# Altium PCB LimeNet-Micro_2v1.PcbDoc (part 8 of 11)
Units mm, origin at the board's own origin, x right, y up, seen from the top; angles counter-clockwise.
Board outline 75 x 143 mm, 6 copper layers (Top, L2, L3, L4, L5, Bottom), stack 1.583 mm thick; 795 components, 565 nets, 3646 pads, 1420 vias.
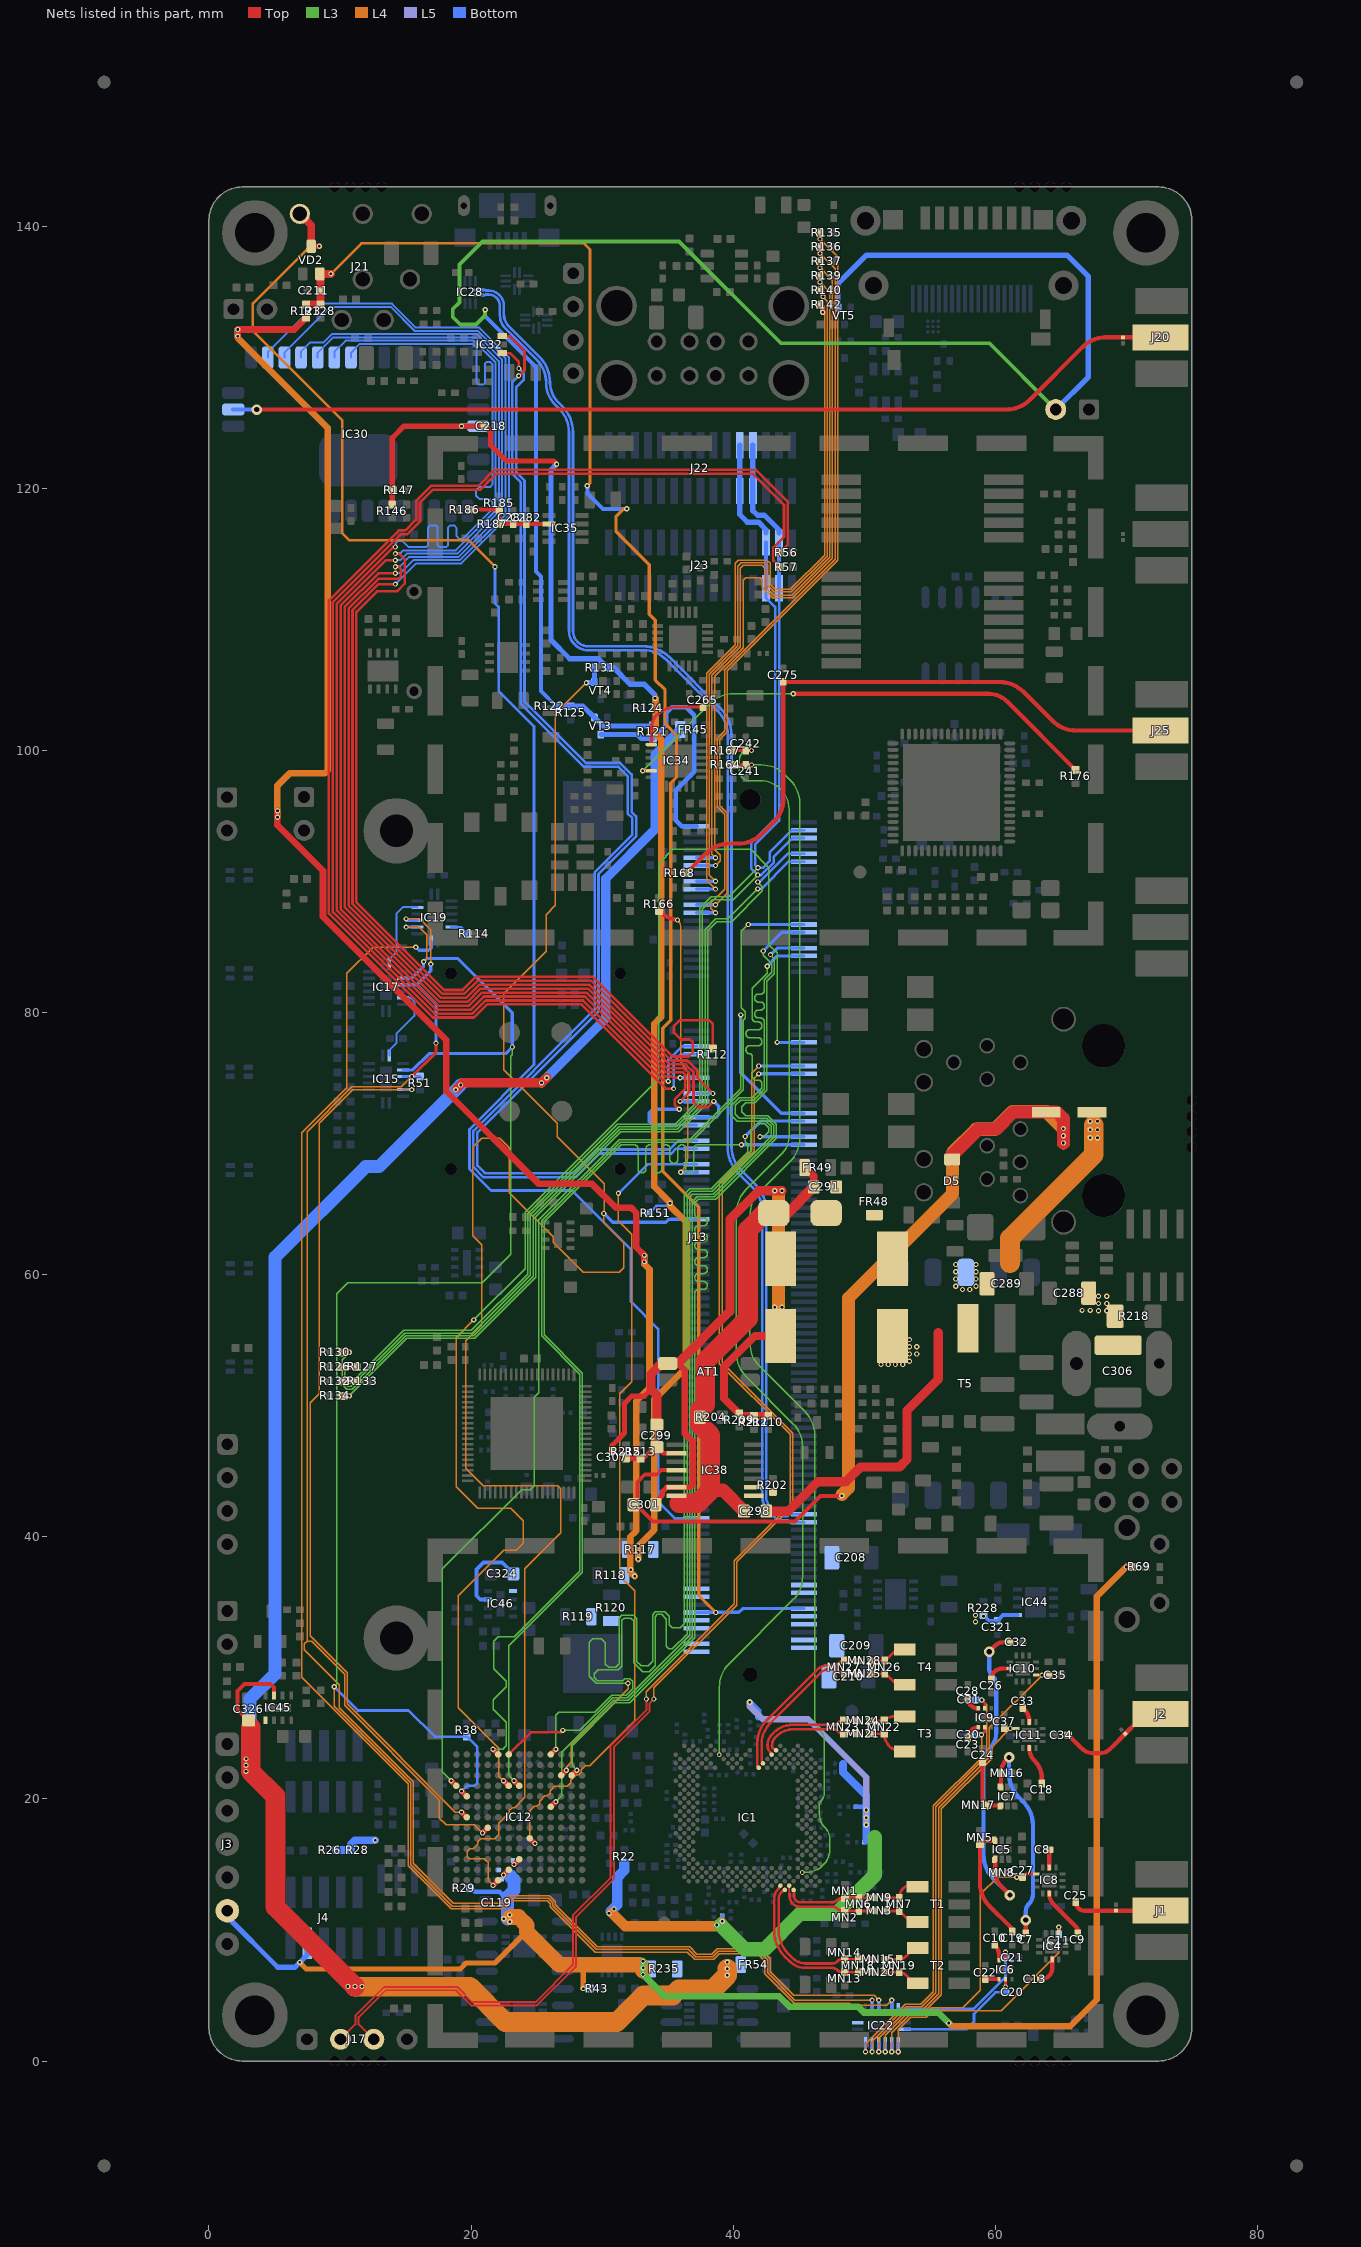
[diagram p12: the nets of this part, all layers, seen from the top]

## Via types
v1: diameter 0.4, hole 0.2, Top to Bottom, tented both sides, 1272 vias
v2: diameter 0.35, hole 0.2, Top to Bottom, tented both sides, 98 vias
v3: diameter 0.5, hole 0.2, Top to Bottom, tented bottom, 25 vias
v4: diameter 0.5, hole 0.2, Top to Bottom, tented both sides, 12 vias
v5: diameter 0.8, hole 0.4, Top to Bottom, tented both sides, 5 vias
v6: diameter 0.4, hole 0.2, Top to Bottom, tented top, 4 vias
v7: diameter 0.4, hole 0.2, Top to Bottom, tented bottom, 4 vias

## Nets (pads, with @x,y where several pads share a name; then routed paths per layer and width w, separated by ;. In a path a pad name is that pad's centre, name@x,y a point inside that pad or via, vN(x,y) a via of type N, cw(c..) or ccw(c..) an arc to the next point about the centre after c; other vN are vias at no path point) (continued)
POE_GND: AT1.3 C286.2 C287.2 C288.1 C289.1 C299.1 C301.1 C302.2 C306.2 C307.2 IC38.6 R209.1 R210.2 R211.2 R218.2 T5.3 | length 77.2
  Top w0.4: C307.2@30.775,46.558 30.775,46.987 31.7,47.912 31.7,50.175 32.25,50.725 33.218,50.725 33.734,51.24 ; C301.1@34.086,42.675 34.593,43.182 34.593,43.443 34.936,43.786 IC38.6@35.679,43.786 36.736,43.786 36.9,43.95 ; AT1.3@35.675,53.325 35.775,53.225
  Top w0.5: 35.775,53.225 36.3,52.7 36.3,47.875 36.9,47.275 36.9,43.95
  Top w0.6: R210.2@42.675,49.225 R211.2@41.575,49.225 40.639,49.225 R209.1@40.464,49.4 39.288,50.576 39.288,52.963 41.65,55.325 C287.2@43.555,55.325
  Top w0.7: C299.1@34.174,48.562 34.174,50.8 33.734,51.24 33.734,52.429 34.53,53.225 AT1.3@35,53.225 35.775,53.225 39.75,57.2 39.75,64.209 41.941,66.4 v1(43.171,66.4) v1(43.721,66.4)
  L4 w1: 43.45,57.575 43.45,66.285
  L4 w1.5: 61.125,60.895 61.125,62.775 67.525,69.175 67.525,71.4
  other v1: 51.28,53.145 51.83,53.145 52.38,53.145 52.93,53.145 53.45,53.4 53.45,53.95 54,53.95 53.45,54.5 54,54.5 53.45,55.05 67.875,57.25 68.5,57.25 66.625,57.275 67.25,57.275 43.175,57.525 43.725,57.525 67.875,57.8 68.5,57.8 67.875,58.35 68.5,58.35 57.5,58.875 58.05,58.875 56.975,59.125 58.525,59.125 56.975,59.675 58.525,59.675 56.975,60.225 58.525,60.225 56.975,60.775 58.525,60.775 67.25,70.45 67.8,70.45 67.25,71.075 67.8,71.075 67.25,71.7 67.8,71.7
POE_VB: C299.2 IC38.2 R213.1 R215.1 | length 4.5
  Top w0.35: R215.1@31.825,45.975 33.137,45.975 C299.2@34.024,46.862 ; C299.2@34.024,47.023 34.66,46.387 ; 34.661,46.386 IC38.2@35.679,46.386
POE_VC: C301.2 C302.1 D5.C IC38.4 | length 75.3
  Top w0.3: C301.2@32.662,42.4 33.887,41.175 44.725,41.175 46.675,43.125 v1(48.275,43.125) ; C301.2@32.687,42.4 32.687,44.187 33.25,44.75 34.164,44.75 34.5,45.086 IC38.4@35.679,45.086
  Top w1: D5.C@56.701,68.8 56.701,69.126 58.69,71.115 60.076,71.115 61.376,72.415 64.685,72.415 65.2,71.9 v1(65.2,71.15) v1(65.2,70.6) v1(65.2,70.05)
  L4 w1: v1@48.3,43.225 48.8,43.725 48.8,58.225 56.725,66.15 56.725,69.3 58.525,71.1 59.95,71.1 61.3,72.45 63.9,72.45 v1(65.2,71.15) v1(65.2,70.6) v1(65.2,70.05)
POE_VIN: C286.1 C287.1 C291.1 C298.2 FR48.2 IC38.8 IC38.9 L2.1 R202.2 VD3.K | length 23
  Top w0.7: C298.2@42.525,41.955 44.205,41.955 46.45,44.2 48.594,44.2 49.719,45.325 52.687,45.325 53.275,45.913 53.275,49.65 55.65,52.025 55.65,55.575
POE_VSS: C291.2 C298.1 FR49.2 IC38.7 R204.2 VD3.A | length 35.8
  Top w0.6: VD3.A@43.1,64.7 VD3.A@44.15,64.7 ; FR49.2@45.495,68.175 46.15,67.52 C291.2@46.15,66.7
  Top w0.8: VD3.A@44.15,64.7 C291.2@46.15,66.7
  Top w1: 38.25,43.55 39.23,43.55 C298.1@40.825,41.955
  Top w1.5: 35.9,42.562 37.262,42.562 38.25,43.55 38.25,47.752 37.46,48.542 R204.2@37.46,49.125 37.46,49.66 37.875,50.075 37.875,53.406 41.125,56.656 41.125,63.425 42.4,64.7 VD3.A@43.1,64.7
RAPI_EMMC_DISABLE: J13.2 R121.1 VT3.D | length 19.4
  Bottom w0.35: R121.1@33.875,100.925 34.875,101.925 34.875,102.85 35.329,103.304 36.421,103.304 37.025,102.7 37.025,98.378 35.611,96.964 35.611,94.689 36.075,94.225 J13.2@37.2,94.225
  Bottom w0.4: VT3.D@29.905,101.218 32.707,101.218 33,100.925 R121.1@33.875,100.925
RAPI_EMMC_EN: IC12.E1 J13.90 R131.2 VT4.G | length 147.8
  Top w0.4: v1(21.672,13.394) IC12.E1@22.072,13.794
  L4 w0.1: v1(21.672,13.394) 21.291,13.775 21.291,15.15 21.016,15.425 19.875,15.425 19.7,15.6 19.7,16 19.9,16.2 20.173,16.2 20.522,16.549 20.522,16.739 20.727,16.944 21.794,16.944 22.1,17.25 22.1,18.127 22.922,18.949 22.922,19.139 23.127,19.344 23.317,19.344 24.1,20.127 24.1,37.575 26.828,40.303 26.828,43.672 26.6,43.9 20.93,43.9 19.6,45.23 19.6,54.967 20.8,56.167 20.8,62.287 20.125,62.962 20.125,69.725 20.825,70.425 22.2,70.425 22.925,69.7 22.925,66.25 26.272,62.903 26.272,62.47 28.567,60.175 31.3,60.175 31.65,60.525 31.65,62.45 30.125,63.975 v1(30.125,64.675) ; v1(28.8,105.175) 26.436,102.811 26.436,88.186 25.725,87.475 25.725,84.675 22.507,81.457 22.507,75.643 26.575,71.575 26.575,70.525 30.167,66.933 v1@30.167,64.717
  Bottom w0.25: v1(30.125,64.675) 30.795,64.005 34.873,64.005 35.093,64.225 J13.90@37.2,64.225
  Bottom w0.4: v1(28.8,105.175) VT4.G@29.21,105.175 ; VT4.G@29.41,105.175 R131.2@29.41,106.325
RAPI_GPCLK1: IC12.H5 J13.76 | length 62.9
  Top w0.4: IC12.H5@24.472,16.994 v1(24.872,16.594)
  L4 w0.1: v1(24.872,16.594) 24.472,16.994 24.472,19.089 24.827,19.444 25.017,19.444 25.222,19.649 25.222,19.839 25.627,20.244 25.817,20.244 26.022,20.449 26.022,20.639 26.358,20.975 27.348,20.975 27.622,21.249 27.622,21.439 28.027,21.844 28.217,21.844 28.422,22.049 28.422,22.239 28.727,22.544 29.044,22.544 32.475,25.975 32.475,35.869 31.35,36.994 31.35,50.908 32.263,51.82 32.263,63.087 31.241,64.109 v1(31.241,66.209)
  Bottom w0.2: v1(31.241,66.209) 33.458,68.425 J13.76@37.2,68.425
RAPI_GPCLK2: J13.78 R166.2 | length 22.4
  Top w0.325: R166.2@34.35,87.75 ccw(c36.04,89.44) v1(35.749,87.068)
  L4 w0.1: v1(35.749,87.068) cw(c35.143,86.462) 36,86.462 36,76.523 ccw(c36.952,76.523) 36.279,75.85 cw(c35.624,75.196) 36.55,75.196 36.55,69.153 cw(c34.672,69.153) v1(36,67.825)
  Bottom w0.35: v1(36,67.825) J13.78@37.2,67.825
RAPI_GPIO12: IC12.F10 J13.45 | length 109.7
  Top w0.4: v1(22.472,21.394) IC12.F10@22.872,20.994
  L3 w0.1: v1(20.2,56.55) 24.12,60.47 24.12,64.767 34.325,74.972 34.325,91.375 35.4,92.45 41.325,92.45 42.725,91.05 42.725,85.196 43.35,84.571 v1(43.35,77.725)
  L4 w0.1: v1(20.2,56.55) 18.85,55.2 18.85,43.825 20.5,42.175 23.017,42.175 23.975,41.217 23.975,39.517 23.433,38.975 22.475,38.975 19.021,35.521 19.021,26.971 22.122,23.87 22.122,21.744 v1(22.472,21.394)
  Bottom w0.25: v1(43.35,77.725) J13.45@45.4,77.725
RAPI_I2C0_SCL: J13.5 J22.11 J23.13 R126.2 R127.2 | length 101
  Top w0.4: R126.2@10.15,52.964 v1@10.675,52.964 ; v1@10.725,52.964 R127.2@11.25,52.964
  L3 w0.1: v1(10.7,52.964) 10.35,52.614 10.35,51.719 10.594,51.475 10.856,51.475 14.931,55.55 15.067,55.55 20.1,55.55 24.52,59.97 24.52,64.57 31.25,71.3 35.654,71.3 37.65,73.296 37.65,87.875 38.4,88.625 40.001,88.625 v1(41.876,90.5)
  Bottom w0.2: J23.13@42.5,112.375 42.5,111.65 43.2,110.95 43.2,94.772 41.375,92.947 41.375,91.001 v1(41.876,90.5) 42.134,90.5 43.1,91.466 43.1,91.9 44.525,93.325 J13.5@45.4,93.325
  Bottom w0.325: J23.13@42.5,112.375 J23.13@42.5,115.875
  Bottom w0.4: J22.11@40.5,123.3 J22.11@40.5,119.8 40.5,118 41.075,117.425 41.925,117.425 42.5,116.85 J23.13@42.5,116.625
RAPI_I2C0_SDA: J13.3 J22.12 J23.14 R132.2 R133.2 | length 98.3
  Top w0.4: R132.2@10.15,51.864 v1@10.675,51.864 ; v1@10.725,51.864 R133.2@11.25,51.864
  L3 w0.1: v1(10.7,51.864) 10.962,51.864 14.848,55.75 14.984,55.75 20.017,55.75 24.32,60.053 24.32,64.653 31.167,71.5 35.571,71.5 37.45,73.379 37.45,87.958 38.317,88.825 39.667,88.825 v1(41.892,91.05)
  Bottom w0.2: J23.14@43.5,112.375 43.5,94.648 41.675,92.823 41.675,91.267 v1(41.892,91.05) 42.26,91.05 42.8,91.59 42.8,92.245 44.48,93.925 J13.3@45.4,93.925
  Bottom w0.325: J23.14@43.5,112.375 J23.14@43.5,115.875
  Bottom w0.4: J22.12@41.5,123.3 J22.12@41.5,119.8 41.5,118.3 41.85,117.95 42.394,117.95 43.5,116.844 J23.14@43.5,116.625
RAPI_I2C1_SCL: J13.11 R130.2 | length 65.7
  Top w0.4: R130.2@10.15,54.075 v1(10.7,54.075)
  L3 w0.1: v1(10.7,54.075) 10.15,53.525 10.15,51.636 10.511,51.275 10.939,51.275 15.014,55.35 15.15,55.35 20.2,55.35 24.737,59.887 24.737,64.488 31.35,71.1 35.75,71.1 37.85,73.2 37.85,86.33 38.67,87.15 39.587,87.15 v1(41.875,89.438)
  Bottom w0.2: v1(41.875,89.438) 42.147,89.438 44.234,91.525 J13.11@45.4,91.525
RAPI_I2C1_SDA: J13.9 R134.2 | length 63.7
  Top w0.4: R134.2@10.15,50.753 v1(10.7,50.753)
  L3 w0.1: v1(10.7,50.753) 15.097,55.15 20.283,55.15 24.938,59.805 24.938,64.405 31.433,70.9 35.833,70.9 38.05,73.117 38.05,86.247 38.753,86.95 39.882,86.95 42.225,89.293 42.225,89.613 v1(41.875,89.963)
  Bottom w0.2: v1(41.875,89.963) 42.021,89.963 44.183,92.125 J13.9@45.4,92.125
RAPI_PWM0: IC32.1 J13.70 | length 91.6
  Top w0.2: IC32.1@22.372,130.325 22.975,130.325 23.65,129.65 v1(23.65,129.15)
  Bottom w0.2: v1(23.65,129.15) 24.025,128.775 24.025,128.325 23.45,127.75 23.45,121.224 24.075,120.599 24.075,103.724 28.749,99.05 31.372,99.05 32.25,98.172 32.25,95.324 32.6,94.974 32.6,93.45 29.725,90.575 29.725,80.1 20.475,70.85 20.475,68.325 21.05,67.75 27.872,67.75 29.672,69.55 35.15,69.55 35.825,70.225 J13.70@37.2,70.225
RAPI_PWM1: IC32.3 J13.72 | length 93.4
  Top w0.2: IC32.3@22.372,131.625 22.925,131.625 24.072,130.478 24.072,129.006 23.661,128.595 v1(23.625,128.595)
  Bottom w0.2: v1(23.625,128.595) 23.15,128.12 23.15,121.1 23.775,120.475 23.775,103.6 28.625,98.75 31.248,98.75 31.95,98.048 31.95,95.2 32.3,94.85 32.3,93.574 29.425,90.699 29.425,80.224 20.175,70.974 20.175,68.201 20.926,67.45 27.996,67.45 29.796,69.25 35.274,69.25 35.649,69.625 J13.72@37.2,69.625
RAPI_RUN: IC19.6 R114.2 | length 1.5
  Bottom w0.2: IC19.6@18.5,86.525 19.225,86.525 R114.2@19.75,86
RAPI_SD1_CLK: IC30.6 R112.2 | length 103.2
  Top w0.2: v1(14.225,115.025) 14.5,115.025 14.925,114.6 14.925,112.725 14.35,112.15 12.82,112.15 11.25,110.58 11.25,88.42 17.945,81.725 19.353,81.725 20.353,82.725 29.3,82.725 35.375,76.65 36.6,76.65 36.925,76.975 36.925,77.725 36.7,77.95 36,77.95 35.475,78.475 35.475,78.975 35.925,79.425 38.15,79.425 38.45,79.125 R112.2@38.45,77.275
  Bottom w0.15: IC30.6@9.565,129.99 9.565,130.415 10.425,131.275 20.209,131.275 21.875,129.609 21.875,118.314 18.836,115.275 14.825,115.275 14.575,115.025 v1(14.225,115.025)
RAPI_SD1_CMD: IC30.7 J13.54 | length 106.3
  Top w0.2: v1(14.225,115.525) 14.074,115.525 9.75,111.201 9.75,87.799 17.324,80.225 19.974,80.225 20.974,81.225 28.679,81.225 34.754,75.15 35.31,75.15 35.435,75.025 v1(35.95,75.025)
  Bottom w0.15: IC30.7@10.835,129.99 10.835,130.36 11.5,131.025 20.106,131.025 20.425,130.706 20.425,128.069 20.575,127.919 20.945,127.919 21.05,128.024 21.05,129.517 21.175,129.642 21.471,129.642 21.625,129.488 21.625,129 21.625,120.279 21.471,120.125 20.65,120.125 20.375,119.85 20.375,119.45 20.65,119.175 21.425,119.175 21.625,118.975 21.625,118.418 19.357,116.15 19.1,116.15 18.9,116.35 18.9,116.975 18.7,117.175 18.4,117.175 18.225,117 18.225,115.65 18.1,115.525 17.6,115.525 17.45,115.675 17.45,117.025 17.3,117.175 16.875,117.175 16.7,117 16.7,115.65 16.575,115.525 15.225,115.525 14.775,115.975 14.415,115.975 14.225,115.785 v1(14.225,115.525)
  Bottom w0.25: v1(35.95,75.025) J13.54@37.2,75.025
RAPI_SD1_D0: IC30.2 J13.58 | length 107.4
  Top w0.2: v1(14.225,112.7) 12.946,112.7 10.95,110.704 10.95,88.296 17.821,81.425 19.477,81.425 20.477,82.425 29.176,82.425 35.251,76.35 36.5,76.35 37.275,75.575 37.275,75 v1(38.45,73.825)
  Bottom w0.15: IC30.2@4.485,129.99 4.485,130.385 8.2,134.1 13.959,134.1 15.784,132.275 20.623,132.275 22.875,130.023 22.875,117.9 19.25,114.275 15.8,114.275 v1(14.225,112.7)
  Bottom w0.25: J13.58@37.2,73.825 v1(38.45,73.825)
RAPI_SD1_D1: IC30.3 J13.60 | length 106.4
  Top w0.2: v1(14.225,113.525) 12.922,113.525 10.35,110.953 10.35,88.047 17.572,80.825 19.726,80.825 20.726,81.825 28.927,81.825 35.002,75.75 36.251,75.75 36.65,75.351 36.65,73.925 v1(35.95,73.225)
  Bottom w0.15: IC30.3@5.755,129.99 5.755,130.355 9.25,133.85 13.856,133.85 15.681,132.025 20.52,132.025 22.625,129.92 22.625,118.004 19.146,114.525 15.6,114.525 14.6,113.525 v1(14.225,113.525)
  Bottom w0.25: v1(35.95,73.225) J13.60@37.2,73.225
RAPI_SD1_D2: IC30.4 J13.64 | length 107
  Top w0.2: v1(14.225,114.025) 14.475,114.025 14.625,113.875 14.625,113.25 14.475,113.1 12.921,113.1 10.65,110.829 10.65,88.171 17.696,81.125 19.601,81.125 20.601,82.125 29.051,82.125 35.126,76.05 36.376,76.05 36.975,75.451 36.975,73.175 37.35,72.8 38.09,72.8 38.515,73.225 v1(38.525,73.225)
  Bottom w0.15: IC30.4@7.025,129.99 7.025,130.45 7.7,131.125 8.721,131.125 9.371,131.775 20.416,131.775 22.375,129.816 22.375,118.107 19.043,114.775 15.29,114.775 14.54,114.025 v1(14.225,114.025)
  Bottom w0.25: J13.64@37.2,72.025 38.7,72.025 38.906,72.231 38.906,72.844 v1(38.525,73.225)
RAPI_SD1_D3: IC30.5 J13.66 | length 107.3
  Top w0.2: v1(14.225,114.525) 13.498,114.525 10.05,111.077 10.05,87.923 17.448,80.525 19.85,80.525 20.85,81.525 28.803,81.525 34.878,75.45 36.127,75.45 36.35,75.227 36.35,74.191 35.55,73.391 35.55,72.95 v1(35.875,72.625)
  Bottom w0.15: IC30.5@8.295,129.99 8.295,130.345 9.475,131.525 20.313,131.525 22.125,129.713 22.125,118.211 18.939,115.025 15.1,115.025 14.6,114.525 v1(14.225,114.525)
  Bottom w0.25: v1(35.875,72.625) 33.85,72.625 33.6,72.375 33.6,71.675 33.85,71.425 J13.66@37.2,71.425
RAPI_SDX_CLK: J13.10 R139.1 | length 56.2
  Top w0.4: v1(46.625,135.725) R139.1@46.625,136.225
  L4 w0.1: v1(38.65,91.825) 38.375,92.1 38.375,105.749 40.55,107.924 40.55,113.924 40.751,114.125 42.225,114.125 42.425,113.925 42.425,112.509 43.084,111.85 44.476,111.85 47.375,114.749 47.375,134.975 v1(46.625,135.725)
  Bottom w0.25: J13.10@37.2,91.825 v1(38.65,91.825)
RAPI_SDX_CMD: J13.12 R137.1 | length 56.6
  Top w0.4: v1(46.625,136.825) R137.1@46.625,137.325
  L4 w0.1: v1(38.65,91.225) 39,91.575 39,92 38.575,92.425 38.575,105.666 40.75,107.841 40.75,113 40.95,113.2 42.047,113.2 42.225,113.022 42.225,112.425 43,111.65 44.559,111.65 47.575,114.666 47.575,135.875 v1(46.625,136.825)
  Bottom w0.25: J13.12@37.2,91.225 v1(38.65,91.225)
RAPI_SDX_D0: J13.16 R140.1 | length 57
  Top w0.4: R140.1@46.625,135.125 46.85,134.9 v1(46.85,134.625)
  L4 w0.1: v1(38.65,90.025) 38.175,90.5 38.175,105.831 40.35,108.006 40.35,114.067 40.608,114.325 42.425,114.325 42.625,114.125 42.625,112.592 43.117,112.1 44.444,112.1 47.175,114.831 47.175,134.3 v1(46.85,134.625)
  Bottom w0.25: J13.16@37.2,90.025 v1(38.65,90.025)
RAPI_SDX_D1: J13.18 R142.1 | length 56.6
  Top w0.4: R142.1@46.625,134.025 46.825,133.825 v1(46.825,133.45)
  L4 w0.1: v1(38.65,89.425) 37.975,90.1 37.975,105.914 40.15,108.089 40.15,114.275 40.4,114.525 42.575,114.525 42.825,114.275 42.825,112.675 43.2,112.3 44.361,112.3 46.975,114.914 46.975,133.3 v1(46.825,133.45)
  Bottom w0.25: J13.18@37.2,89.425 v1(38.65,89.425)
RAPI_SDX_D2: J13.22 R135.1 | length 57.6
  Top w0.4: v1(46.625,139.025) R135.1@46.625,139.525
  L4 w0.1: v1(38.65,88.225) 39.55,89.125 39.55,95.215 38.975,95.79 38.975,100.847 39.55,101.422 39.55,106.075 47.975,114.5 47.975,137.675 v1(46.625,139.025)
  Bottom w0.25: J13.22@37.2,88.225 v1(38.65,88.225)
RAPI_SDX_D3: J13.24 R136.1 | length 57.3
  Top w0.4: v1(46.625,137.925) R136.1@46.625,138.425
  L4 w0.1: v1(38.65,87.625) 38.3,87.975 38.3,88.37 39.35,89.42 39.35,95.132 39.082,95.4 39.075,95.4 38.775,95.7 38.775,100.93 39.35,101.505 39.35,106.158 47.775,114.583 47.775,136.775 v1(46.625,137.925)
  Bottom w0.25: J13.24@37.2,87.625 v1(38.65,87.625)
RAPI_SPI0_CE0: IC12.E13 J13.27 | length 84.4
  Top w0.4: v1(21.672,23.794) IC12.E13@22.072,23.394
  L3 w0.1: v1(21.672,23.794) 22.419,23.794 22.675,24.05 22.675,25.85 21.7,26.825 21.7,27.575 22.675,28.55 22.675,28.992 21.725,29.942 21.725,32.047 22.053,32.375 23.292,32.375 28.3,37.383 28.3,52.4 25.375,55.325 25.375,64.109 31.381,70.115 36.765,70.115 40.775,74.125 40.775,79.425 40.925,79.575 40.925,80.075 40.625,80.375 40.625,86.2 v1(41.15,86.725)
  Bottom w0.25: v1(41.15,86.725) J13.27@45.4,86.725
RAPI_SPI0_MISO: IC12.K8 J13.29 | length 83.9
  Top w0.4: IC12.K8@26.072,19.394 v1(26.472,19.794)
  L3 w0.1: v1(26.472,19.794) 26.922,20.244 26.922,23.555 30.892,27.525 32.008,27.525 36.875,32.392 36.875,65.58 37.245,65.95 38.568,65.95 43.1,70.482 43.1,71.392 42.567,71.925 40.475,71.925 40.175,72.225 40.175,72.925 40.571,73.321 41.55,73.321 42.375,74.146 42.375,78.925 42.375,78.981 42.375,79.315 ccw(c42.101,79.315) 42.101,79.589 41.924,79.589 cw(c41.924,79.863) 41.65,79.863 41.65,79.923 cw(c41.924,79.923) 41.924,80.197 42.101,80.197 ccw(c42.101,80.471) 42.375,80.471 42.375,80.531 ccw(c42.101,80.531) 42.101,80.805 41.924,80.805 cw(c41.924,81.079) 41.65,81.079 41.65,81.139 cw(c41.924,81.139) 41.924,81.413 42.101,81.413 ccw(c42.101,81.687) 42.375,81.687 42.375,82.021 42.375,82.325 42.375,82.5 42.95,83.075 42.95,83.742 42.3,84.392 v1(42.3,84.7)
  L4 w0.1: v1(26.472,19.794) v1@26.552,19.794
  Bottom w0.25: v1(42.3,84.7) 43.725,86.125 J13.29@45.4,86.125
RAPI_SPI0_MOSI: IC12.M11 J13.33 | length 84.4
  Top w0.4: IC12.M11@27.672,21.794 v1(28.072,22.194)
  L3 w0.1: v1(28.072,22.194) 27.7,22.566 27.7,24.05 30.975,27.325 32.091,27.325 37.075,32.309 37.075,58.125 37.075,58.6 cw(c37.349,58.6) 37.349,58.874 37.751,58.874 ccw(c37.751,59.148) 38.025,59.148 38.025,59.208 ccw(c37.751,59.208) 37.751,59.482 37.349,59.482 cw(c37.349,59.756) 37.075,59.756 37.075,59.816 cw(c37.349,59.816) 37.349,60.09 37.751,60.09 ccw(c37.751,60.364) 38.025,60.364 38.025,60.424 ccw(c37.751,60.424) 37.751,60.698 37.349,60.698 cw(c37.349,60.972) 37.075,60.972 37.075,61.032 cw(c37.349,61.032) 37.349,61.306 37.751,61.306 ccw(c37.751,61.58) 38.025,61.58 38.025,61.64 ccw(c37.751,61.64) 37.751,61.914 37.349,61.914 cw(c37.349,62.188) 37.075,62.188 37.075,62.248 cw(c37.349,62.248) 37.349,62.522 37.751,62.522 ccw(c37.751,62.796) 38.025,62.796 38.025,62.856 ccw(c37.751,62.856) 37.751,63.13 37.349,63.13 cw(c37.349,63.404) 37.075,63.404 37.075,63.464 cw(c37.349,63.464) 37.349,63.738 37.751,63.738 ccw(c37.751,64.012) 38.025,64.012 38.025,64.072 ccw(c37.751,64.072) 37.751,64.346 37.349,64.346 cw(c37.349,64.62) 37.075,64.62 37.075,64.65 37.075,65.497 37.328,65.75 38.651,65.75 43.3,70.399 43.3,71.475 42.65,72.125 40.95,72.125 40.654,72.421 40.654,72.825 40.95,73.121 41.633,73.121 42.575,74.063 42.575,82.4 43.15,82.975 43.15,84.125 v1(42.85,84.425)
  Bottom w0.25: v1(42.85,84.425) 43.35,84.925 J13.33@45.4,84.925
RAPI_SPI0_SCLK: IC12.F13 J13.35 | length 84.1
  Top w0.2: IC12.F13@22.872,23.394 24.553,25.075 26.85,25.075 v1(27,25.225)
  L3 w0.1: v1(27,25.225) 28.309,25.225 30.809,27.725 31.925,27.725 36.675,32.475 36.675,65.959 36.866,66.15 38.486,66.15 42.9,70.564 42.9,71.309 42.484,71.725 40.3,71.725 39.766,72.259 39.766,72.834 40.454,73.521 41.467,73.521 42.175,74.229 42.175,74.691 42.018,74.849 41.651,74.849 41.45,75.05 41.45,76.275 41.45,76.663 ccw(c41.249,76.663) 41.249,76.864 cw(c41.249,77.138) 40.975,77.138 40.975,77.198 cw(c41.249,77.198) 41.249,77.472 41.45,77.472 41.901,77.472 ccw(c41.901,77.746) 42.175,77.746 42.175,77.806 ccw(c41.901,77.806) 41.901,78.08 41.45,78.08 41.249,78.08 cw(c41.249,78.354) 40.975,78.354 40.975,78.414 cw(c41.249,78.414) 41.249,78.688 41.45,78.688 41.901,78.688 ccw(c41.901,78.962) 42.175,78.962 42.175,79.022 ccw(c41.901,79.022) 41.901,79.296 41.724,79.296 cw(c41.724,79.57) 41.45,79.57 41.45,79.6 41.45,81.875 42.589,83.014 v1(42.589,83.539)
  Bottom w0.25: v1(42.589,83.539) 43.375,84.325 J13.35@45.4,84.325
RAPI_SPI1_CE0: IC12.A10 J13.63 | length 82.8
  Top w0.4: v1(18.472,21.394) IC12.A10@18.872,20.994
  L3 w0.1: v1(18.472,21.394) 17.8,22.066 17.8,37.545 23.85,43.595 24.52,43.595 24.825,43.9 24.825,50.65 25.175,51 25.175,64.192 31.298,70.315 36.682,70.315 40.575,74.208 v1(40.575,79.825)
  Bottom w0.25: v1(40.575,79.825) 40.575,75.405 43.655,72.325 J13.63@45.4,72.325
RAPI_SPI1_MISO: IC12.L11 J13.65 | length 81.4
  Top w0.4: IC12.L11@26.872,21.794 v1(27.272,22.194)
  L3 w0.1: v1(31.975,28.825) 29.561,28.825 29.014,29.372 29.014,31.956 29.291,32.234 29.946,32.234 30.255,31.925 30.255,30.291 30.485,30.061 31.049,30.061 31.3,30.312 31.3,33.794 31.506,34 32.409,34 32.65,33.759 32.65,30.475 32.895,30.23 32.975,30.15 33.5,30.15 33.847,30.497 33.847,34.063 34.059,34.275 34.775,34.275 35.111,33.939 35.111,33.289 35.35,33.05 35.975,33.05 36.275,33.35 36.275,66.125 36.7,66.55 38.32,66.55 41.125,69.355 41.125,69.95 40.925,70.15 v1(40.925,70.55)
  L4 w0.1: v1(27.272,22.194) 27.272,22.43 27.65,22.808 27.65,24.097 31.975,28.422 v1(31.975,28.825)
  Bottom w0.25: v1(40.925,70.55) 42.1,71.725 J13.65@45.4,71.725
RAPI_SPI1_MOSI: IC12.K13 J13.69 | length 82.7
  Top w0.4: IC12.K13@26.072,23.394 v1(26.472,23.794)
  L3 w0.1: v1(26.472,23.794) 26.472,26.397 26.7,26.625 29.426,26.625 30.726,27.925 31.842,27.925 32.325,28.408 32.325,28.97 32.12,29.175 31.731,29.175 31.581,29.025 29.644,29.025 29.383,29.285 29.383,29.558 29.686,29.861 31.233,29.861 31.5,30.128 31.5,33.625 31.675,33.8 32.197,33.8 32.419,33.578 32.419,30.379 33.096,29.702 33.577,29.702 34.047,30.172 34.047,33.905 34.217,34.075 34.541,34.075 34.897,33.719 34.897,31.653 35.1,31.45 35.367,31.45 36.475,32.558 36.475,66.042 36.783,66.35 38.403,66.35 41.325,69.272 41.325,71.025 41.825,71.525 42.4,71.525 42.7,71.225 42.7,70.9 42.325,70.525 v1(42.044,70.525)